# Altium PCB KlusterLab r2.0.PcbDoc (part 3 of 22) (continued)
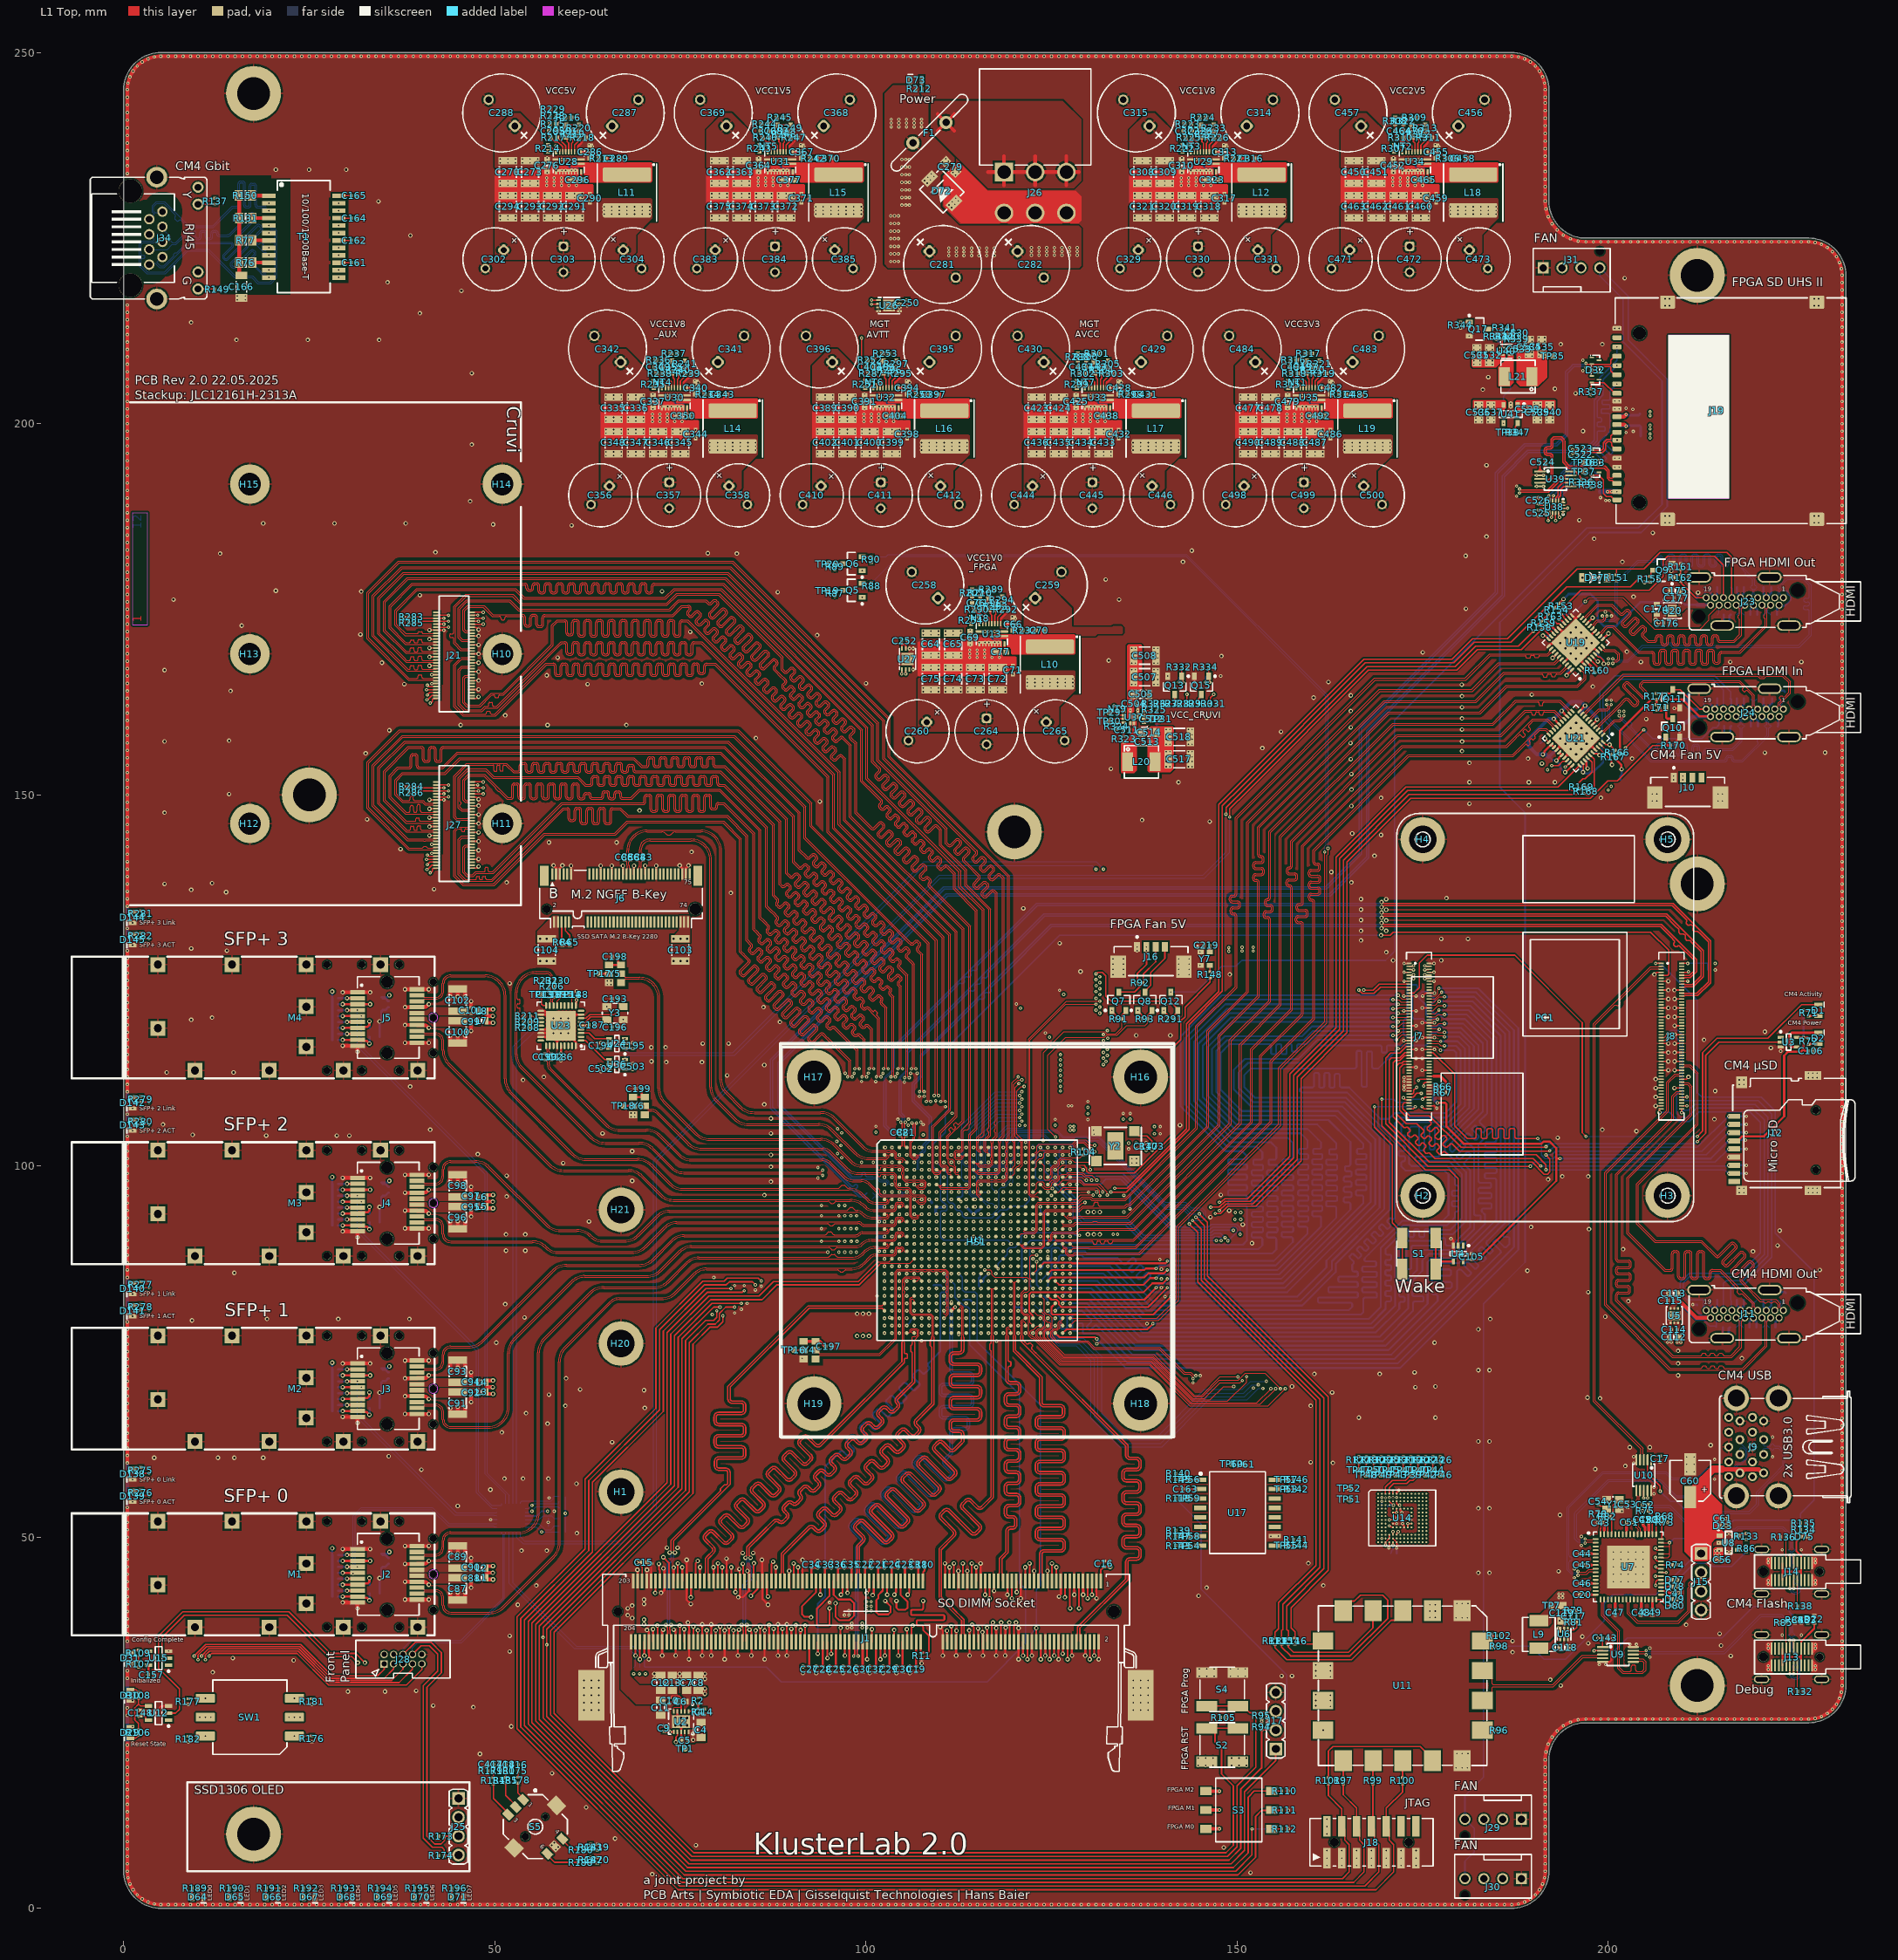
[diagram p0: L1 Top view]
## Footprints (in the part's own frame and the unit in brackets; to place one, negate y for a bottom-side part, rotate by r counter-clockwise, add the part's x,y. Pads: shape width x height; smd on the part's side, far side on the other; paste and mask are expansions set on the pad) (continued)
  round 0.5 smd paste+0.05: A1(-12.5,12.5) A2(-11.5,12.5) A3(-10.5,12.5) A4(-9.5,12.5) A5(-8.5,12.5) A6(-7.5,12.5) A7(-6.5,12.5) A8(-5.5,12.5) A9(-4.5,12.5) A10(-3.5,12.5) A11(-2.5,12.5) A12(-1.5,12.5) A13(-0.5,12.5) A14(0.5,12.5) A15(1.5,12.5) A16(2.5,12.5) A17(3.5,12.5) A18(4.5,12.5) A19(5.5,12.5) A20(6.5,12.5) A21(7.5,12.5) A22(8.5,12.5) A23(9.5,12.5) A24(10.5,12.5) A25(11.5,12.5) A26(12.5,12.5) AA1(-12.5,-7.5) AA2(-11.5,-7.5) AA3(-10.5,-7.5) AA4(-9.5,-7.5) AA5(-8.5,-7.5) AA6(-7.5,-7.5) AA7(-6.5,-7.5) AA8(-5.5,-7.5) AA9(-4.5,-7.5) AA10(-3.5,-7.5) AA11(-2.5,-7.5) AA12(-1.5,-7.5) AA13(-0.5,-7.5) AA14(0.5,-7.5) AA15(1.5,-7.5) AA16(2.5,-7.5) AA17(3.5,-7.5) AA18(4.5,-7.5) AA19(5.5,-7.5) AA20(6.5,-7.5) AA21(7.5,-7.5) AA22(8.5,-7.5) AA23(9.5,-7.5) AA24(10.5,-7.5) AA25(11.5,-7.5) AA26(12.5,-7.5) AB1(-12.5,-8.5) AB2(-11.5,-8.5) AB3(-10.5,-8.5) AB4(-9.5,-8.5) AB5(-8.5,-8.5) AB6(-7.5,-8.5) AB7(-6.5,-8.5) AB8(-5.5,-8.5) AB9(-4.5,-8.5) AB10(-3.5,-8.5) AB11(-2.5,-8.5) AB12(-1.5,-8.5) AB13(-0.5,-8.5) AB14(0.5,-8.5) AB15(1.5,-8.5) AB16(2.5,-8.5) AB17(3.5,-8.5) AB18(4.5,-8.5) AB19(5.5,-8.5) AB20(6.5,-8.5) AB21(7.5,-8.5) AB22(8.5,-8.5) AB23(9.5,-8.5) AB24(10.5,-8.5) AB25(11.5,-8.5) AB26(12.5,-8.5) AC1(-12.5,-9.5) AC2(-11.5,-9.5) AC3(-10.5,-9.5) AC4(-9.5,-9.5) AC5(-8.5,-9.5) AC6(-7.5,-9.5) AC7(-6.5,-9.5) AC8(-5.5,-9.5) AC9(-4.5,-9.5) AC10(-3.5,-9.5) AC11(-2.5,-9.5) AC12(-1.5,-9.5) AC13(-0.5,-9.5) AC14(0.5,-9.5) AC15(1.5,-9.5) AC16(2.5,-9.5) AC17(3.5,-9.5) AC18(4.5,-9.5) AC19(5.5,-9.5) AC20(6.5,-9.5) AC21(7.5,-9.5) AC22(8.5,-9.5) AC23(9.5,-9.5) AC24(10.5,-9.5) AC25(11.5,-9.5) AC26(12.5,-9.5) AD1(-12.5,-10.5) AD2(-11.5,-10.5) AD3(-10.5,-10.5) AD4(-9.5,-10.5) AD5(-8.5,-10.5) AD6(-7.5,-10.5) AD7(-6.5,-10.5) AD8(-5.5,-10.5) AD9(-4.5,-10.5) AD10(-3.5,-10.5) AD11(-2.5,-10.5) AD12(-1.5,-10.5) AD13(-0.5,-10.5) AD14(0.5,-10.5) AD15(1.5,-10.5) AD16(2.5,-10.5) AD17(3.5,-10.5) AD18(4.5,-10.5) AD19(5.5,-10.5) AD20(6.5,-10.5) AD21(7.5,-10.5) AD22(8.5,-10.5) AD23(9.5,-10.5) AD24(10.5,-10.5) AD25(11.5,-10.5) AD26(12.5,-10.5) AE1(-12.5,-11.5) AE2(-11.5,-11.5) AE3(-10.5,-11.5) AE4(-9.5,-11.5) AE5(-8.5,-11.5) AE6(-7.5,-11.5) AE7(-6.5,-11.5) AE8(-5.5,-11.5) AE9(-4.5,-11.5) AE10(-3.5,-11.5) AE11(-2.5,-11.5) AE12(-1.5,-11.5) AE13(-0.5,-11.5) AE14(0.5,-11.5) AE15(1.5,-11.5) AE16(2.5,-11.5) AE17(3.5,-11.5) AE18(4.5,-11.5) AE19(5.5,-11.5) AE20(6.5,-11.5) AE21(7.5,-11.5) AE22(8.5,-11.5) AE23(9.5,-11.5) AE24(10.5,-11.5) AE25(11.5,-11.5) AE26(12.5,-11.5) AF1(-12.5,-12.5) AF2(-11.5,-12.5) AF3(-10.5,-12.5) AF4(-9.5,-12.5) AF5(-8.5,-12.5) AF6(-7.5,-12.5) AF7(-6.5,-12.5) AF8(-5.5,-12.5) AF9(-4.5,-12.5) AF10(-3.5,-12.5) AF11(-2.5,-12.5) AF12(-1.5,-12.5) AF13(-0.5,-12.5) AF14(0.5,-12.5) AF15(1.5,-12.5) AF16(2.5,-12.5) AF17(3.5,-12.5) AF18(4.5,-12.5) AF19(5.5,-12.5) AF20(6.5,-12.5) AF21(7.5,-12.5) AF22(8.5,-12.5) AF23(9.5,-12.5) AF24(10.5,-12.5) AF25(11.5,-12.5) AF26(12.5,-12.5) B1(-12.5,11.5) B2(-11.5,11.5) B3(-10.5,11.5) B4(-9.5,11.5) B5(-8.5,11.5) B6(-7.5,11.5) B7(-6.5,11.5) B8(-5.5,11.5) B9(-4.5,11.5) B10(-3.5,11.5) B11(-2.5,11.5) B12(-1.5,11.5) B13(-0.5,11.5) B14(0.5,11.5) B15(1.5,11.5) B16(2.5,11.5) B17(3.5,11.5) B18(4.5,11.5) B19(5.5,11.5) B20(6.5,11.5) B21(7.5,11.5) B22(8.5,11.5) B23(9.5,11.5) B24(10.5,11.5) B25(11.5,11.5) B26(12.5,11.5) C1(-12.5,10.5) C2(-11.5,10.5) C3(-10.5,10.5) C4(-9.5,10.5) C5(-8.5,10.5) C6(-7.5,10.5) C7(-6.5,10.5) C8(-5.5,10.5) C9(-4.5,10.5) C10(-3.5,10.5) C11(-2.5,10.5) C12(-1.5,10.5) C13(-0.5,10.5) C14(0.5,10.5) C15(1.5,10.5) C16(2.5,10.5) C17(3.5,10.5) C18(4.5,10.5) C19(5.5,10.5) C20(6.5,10.5) C21(7.5,10.5) C22(8.5,10.5) C23(9.5,10.5) C24(10.5,10.5) C25(11.5,10.5) C26(12.5,10.5) D1(-12.5,9.5) D2(-11.5,9.5) D3(-10.5,9.5) D4(-9.5,9.5) D5(-8.5,9.5) D6(-7.5,9.5) D7(-6.5,9.5) D8(-5.5,9.5) D9(-4.5,9.5) D10(-3.5,9.5) D11(-2.5,9.5) D12(-1.5,9.5) D13(-0.5,9.5) D14(0.5,9.5) D15(1.5,9.5) D16(2.5,9.5) D17(3.5,9.5) D18(4.5,9.5) D19(5.5,9.5) D20(6.5,9.5) D21(7.5,9.5) D22(8.5,9.5) D23(9.5,9.5) D24(10.5,9.5) D25(11.5,9.5) D26(12.5,9.5) E1(-12.5,8.5) E2(-11.5,8.5) E3(-10.5,8.5) E4(-9.5,8.5) E5(-8.5,8.5) E6(-7.5,8.5) E7(-6.5,8.5) E8(-5.5,8.5) E9(-4.5,8.5) E10(-3.5,8.5) E11(-2.5,8.5) E12(-1.5,8.5) E13(-0.5,8.5) E14(0.5,8.5) E15(1.5,8.5) E16(2.5,8.5) E17(3.5,8.5) E18(4.5,8.5) E19(5.5,8.5) E20(6.5,8.5) E21(7.5,8.5) E22(8.5,8.5) E23(9.5,8.5) E24(10.5,8.5) E25(11.5,8.5) E26(12.5,8.5) F1(-12.5,7.5) F2(-11.5,7.5) F3(-10.5,7.5) F4(-9.5,7.5) F5(-8.5,7.5) F6(-7.5,7.5) F7(-6.5,7.5) F8(-5.5,7.5) F9(-4.5,7.5) F10(-3.5,7.5) F11(-2.5,7.5) F12(-1.5,7.5) F13(-0.5,7.5) F14(0.5,7.5) F15(1.5,7.5) F16(2.5,7.5) F17(3.5,7.5) F18(4.5,7.5) F19(5.5,7.5) F20(6.5,7.5) F21(7.5,7.5) F22(8.5,7.5) F23(9.5,7.5) F24(10.5,7.5) F25(11.5,7.5) F26(12.5,7.5) G1(-12.5,6.5) G2(-11.5,6.5) G3(-10.5,6.5) G4(-9.5,6.5) G5(-8.5,6.5) G6(-7.5,6.5) G7(-6.5,6.5) G8(-5.5,6.5) G9(-4.5,6.5) G10(-3.5,6.5) G11(-2.5,6.5) G12(-1.5,6.5) G13(-0.5,6.5) G14(0.5,6.5) G15(1.5,6.5) G16(2.5,6.5) G17(3.5,6.5) G18(4.5,6.5) G19(5.5,6.5) G20(6.5,6.5) G21(7.5,6.5) G22(8.5,6.5) G23(9.5,6.5) G24(10.5,6.5) G25(11.5,6.5) G26(12.5,6.5) H1(-12.5,5.5) H2(-11.5,5.5) H3(-10.5,5.5) H4(-9.5,5.5) H5(-8.5,5.5) H6(-7.5,5.5) H7(-6.5,5.5) H8(-5.5,5.5) H9(-4.5,5.5) H10(-3.5,5.5) H11(-2.5,5.5) H12(-1.5,5.5) H13(-0.5,5.5) H14(0.5,5.5) H15(1.5,5.5) H16(2.5,5.5) H17(3.5,5.5) H18(4.5,5.5) H19(5.5,5.5) H20(6.5,5.5) H21(7.5,5.5) H22(8.5,5.5) H23(9.5,5.5) H24(10.5,5.5) H25(11.5,5.5) H26(12.5,5.5) J1(-12.5,4.5) J2(-11.5,4.5) J3(-10.5,4.5) J4(-9.5,4.5) J5(-8.5,4.5) J6(-7.5,4.5) J7(-6.5,4.5) J8(-5.5,4.5) J9(-4.5,4.5) J10(-3.5,4.5) J11(-2.5,4.5) J12(-1.5,4.5) J13(-0.5,4.5) J14(0.5,4.5) J15(1.5,4.5) J16(2.5,4.5) J17(3.5,4.5) J18(4.5,4.5) J19(5.5,4.5) J20(6.5,4.5) J21(7.5,4.5) J22(8.5,4.5) J23(9.5,4.5) J24(10.5,4.5) J25(11.5,4.5) J26(12.5,4.5) K1(-12.5,3.5) K2(-11.5,3.5) K3(-10.5,3.5) K4(-9.5,3.5) K5(-8.5,3.5) K6(-7.5,3.5) K7(-6.5,3.5) K8(-5.5,3.5) K9(-4.5,3.5) K10(-3.5,3.5) K11(-2.5,3.5) K12(-1.5,3.5) K13(-0.5,3.5) K14(0.5,3.5) K15(1.5,3.5) K16(2.5,3.5) K17(3.5,3.5) K18(4.5,3.5) K19(5.5,3.5) K20(6.5,3.5) K21(7.5,3.5) K22(8.5,3.5) K23(9.5,3.5) K24(10.5,3.5) K25(11.5,3.5) K26(12.5,3.5) L1(-12.5,2.5) L2(-11.5,2.5) L3(-10.5,2.5) L4(-9.5,2.5) L5(-8.5,2.5) L6(-7.5,2.5) L7(-6.5,2.5) L8(-5.5,2.5) L9(-4.5,2.5) L10(-3.5,2.5) L11(-2.5,2.5) L12(-1.5,2.5) L13(-0.5,2.5) L14(0.5,2.5) L15(1.5,2.5) L16(2.5,2.5) L17(3.5,2.5) L18(4.5,2.5) L19(5.5,2.5) L20(6.5,2.5) L21(7.5,2.5) L22(8.5,2.5) L23(9.5,2.5) L24(10.5,2.5) L25(11.5,2.5) L26(12.5,2.5) M1(-12.5,1.5) M2(-11.5,1.5) M3(-10.5,1.5) M4(-9.5,1.5) M5(-8.5,1.5) M6(-7.5,1.5) M7(-6.5,1.5) M8(-5.5,1.5) M9(-4.5,1.5) M10(-3.5,1.5) M11(-2.5,1.5) M12(-1.5,1.5) M13(-0.5,1.5) M14(0.5,1.5) M15(1.5,1.5) M16(2.5,1.5) M17(3.5,1.5) M18(4.5,1.5) M19(5.5,1.5) M20(6.5,1.5) M21(7.5,1.5) M22(8.5,1.5) M23(9.5,1.5) M24(10.5,1.5) M25(11.5,1.5) M26(12.5,1.5) N1(-12.5,0.5) N2(-11.5,0.5) N3(-10.5,0.5) N4(-9.5,0.5) N5(-8.5,0.5) N6(-7.5,0.5) N7(-6.5,0.5) N8(-5.5,0.5) N9(-4.5,0.5) N10(-3.5,0.5) N11(-2.5,0.5) N12(-1.5,0.5) N13(-0.5,0.5) N14(0.5,0.5) N15(1.5,0.5) N16(2.5,0.5) N17(3.5,0.5) N18(4.5,0.5) N19(5.5,0.5) N20(6.5,0.5) N21(7.5,0.5) N22(8.5,0.5) N23(9.5,0.5) N24(10.5,0.5) N25(11.5,0.5) N26(12.5,0.5) P1(-12.5,-0.5) P2(-11.5,-0.5) P3(-10.5,-0.5) P4(-9.5,-0.5) P5(-8.5,-0.5) P6(-7.5,-0.5) P7(-6.5,-0.5) P8(-5.5,-0.5) P9(-4.5,-0.5) P10(-3.5,-0.5) P11(-2.5,-0.5) P12(-1.5,-0.5) P13(-0.5,-0.5) P14(0.5,-0.5) P15(1.5,-0.5) P16(2.5,-0.5) P17(3.5,-0.5) P18(4.5,-0.5) P19(5.5,-0.5) P20(6.5,-0.5) P21(7.5,-0.5) P22(8.5,-0.5) P23(9.5,-0.5) P24(10.5,-0.5) P25(11.5,-0.5) P26(12.5,-0.5) R1(-12.5,-1.5) R2(-11.5,-1.5) R3(-10.5,-1.5) R4(-9.5,-1.5) R5(-8.5,-1.5) R6(-7.5,-1.5) R7(-6.5,-1.5) R8(-5.5,-1.5) R9(-4.5,-1.5) R10(-3.5,-1.5) R11(-2.5,-1.5) R12(-1.5,-1.5) R13(-0.5,-1.5) R14(0.5,-1.5) R15(1.5,-1.5) R16(2.5,-1.5) R17(3.5,-1.5) R18(4.5,-1.5) R19(5.5,-1.5) R20(6.5,-1.5) R21(7.5,-1.5) R22(8.5,-1.5) R23(9.5,-1.5) R24(10.5,-1.5) R25(11.5,-1.5) R26(12.5,-1.5) T1(-12.5,-2.5) T2(-11.5,-2.5) T3(-10.5,-2.5) T4(-9.5,-2.5) T5(-8.5,-2.5) T6(-7.5,-2.5) T7(-6.5,-2.5) T8(-5.5,-2.5) T9(-4.5,-2.5) T10(-3.5,-2.5) T11(-2.5,-2.5) T12(-1.5,-2.5) T13(-0.5,-2.5) T14(0.5,-2.5) T15(1.5,-2.5) T16(2.5,-2.5) T17(3.5,-2.5) T18(4.5,-2.5) T19(5.5,-2.5) T20(6.5,-2.5) T21(7.5,-2.5) T22(8.5,-2.5) T23(9.5,-2.5) T24(10.5,-2.5) T25(11.5,-2.5) T26(12.5,-2.5) U1(-12.5,-3.5) U2(-11.5,-3.5) U3(-10.5,-3.5) U4(-9.5,-3.5) U5(-8.5,-3.5) U6(-7.5,-3.5) U7(-6.5,-3.5) U8(-5.5,-3.5) U9(-4.5,-3.5) U10(-3.5,-3.5) U11(-2.5,-3.5) U12(-1.5,-3.5) U13(-0.5,-3.5) U14(0.5,-3.5) U15(1.5,-3.5) U16(2.5,-3.5) U17(3.5,-3.5) U18(4.5,-3.5) U19(5.5,-3.5) U20(6.5,-3.5) U21(7.5,-3.5) U22(8.5,-3.5) U23(9.5,-3.5) U24(10.5,-3.5) U25(11.5,-3.5) U26(12.5,-3.5) V1(-12.5,-4.5) V2(-11.5,-4.5) V3(-10.5,-4.5) V4(-9.5,-4.5) V5(-8.5,-4.5) V6(-7.5,-4.5) V7(-6.5,-4.5) V8(-5.5,-4.5) V9(-4.5,-4.5) V10(-3.5,-4.5) V11(-2.5,-4.5) V12(-1.5,-4.5) V13(-0.5,-4.5) V14(0.5,-4.5) V15(1.5,-4.5) V16(2.5,-4.5) V17(3.5,-4.5) V18(4.5,-4.5) V19(5.5,-4.5) V20(6.5,-4.5) V21(7.5,-4.5) V22(8.5,-4.5) V23(9.5,-4.5) V24(10.5,-4.5) V25(11.5,-4.5) V26(12.5,-4.5) W1(-12.5,-5.5) W2(-11.5,-5.5) W3(-10.5,-5.5) W4(-9.5,-5.5) W5(-8.5,-5.5) W6(-7.5,-5.5) W7(-6.5,-5.5) W8(-5.5,-5.5) W9(-4.5,-5.5) W10(-3.5,-5.5) W11(-2.5,-5.5) W12(-1.5,-5.5) W13(-0.5,-5.5) W14(0.5,-5.5) W15(1.5,-5.5) W16(2.5,-5.5) W17(3.5,-5.5) W18(4.5,-5.5) W19(5.5,-5.5) W20(6.5,-5.5) W21(7.5,-5.5) W22(8.5,-5.5) W23(9.5,-5.5) W24(10.5,-5.5) W25(11.5,-5.5) W26(12.5,-5.5) Y1(-12.5,-6.5) Y2(-11.5,-6.5) Y3(-10.5,-6.5) Y4(-9.5,-6.5) Y5(-8.5,-6.5) Y6(-7.5,-6.5) Y7(-6.5,-6.5) Y8(-5.5,-6.5) Y9(-4.5,-6.5) Y10(-3.5,-6.5) Y11(-2.5,-6.5) Y12(-1.5,-6.5) Y13(-0.5,-6.5) Y14(0.5,-6.5) Y15(1.5,-6.5) Y16(2.5,-6.5) Y17(3.5,-6.5) Y18(4.5,-6.5) Y19(5.5,-6.5) Y20(6.5,-6.5) Y21(7.5,-6.5) Y22(8.5,-6.5) Y23(9.5,-6.5) Y24(10.5,-6.5) Y25(11.5,-6.5) Y26(12.5,-6.5)
  silkscreen extent -13.5,-13.5 13.5,13.5, body extent -13.5,-13.5 13.5,13.5, height 3.62
CAP_0402 [mm] "Chip Capacitor, 2-Leads, Body 1,00x0,50mm"
  rect 0.5x0.6 smd: 1(0,-0.55) 2(0,0.55)
  body extent -0.26,-0.59 0.26,0.6, height 0.51
CAP_0402_L [mm] "Chip Capacitor, 2-Leads, Body 1,00x0,50mm, IPC High Density"
  rect 0.38x0.48 smd: 1(-0.395,0) 2(0.395,0)
  body extent -0.6,-0.26 0.59,0.26, height 0.51
CAP_0603 [mm] "Chip Capacitor, 2-Leads, Body 1,60x0,8mm"
  rect 0.75x0.8 smd: 1(0,-0.75) 2(0,0.75)
  silkscreen extent -0.37,-0.15 0.38,0.15, body extent -0.41,-0.93 0.41,0.93, height 0.81
CAP_0603_L [mm] "Chip Capacitor, 2-Leads, Body 1,60x0,80mm, IPC High Density"
  rect 0.8x0.63 smd: 1(0,-0.675) 2(0,0.675)
  silkscreen extent -0.37,-0.15 0.38,0.15, body extent -0.41,-0.93 0.41,0.93, height 0.81
CAP_0805 [mm] "Chip Capacitor, 2-Leads, Body 2,00x1,25mm"
  rect 1.25x1 smd: 1(0,-1) 2(0,1)
  silkscreen extent -0.62,-0.3 0.63,0.3, body extent -0.64,-1.07 0.64,1.07, height 1.26
CAP_1206 [mm] "Chip Capacitor, 2-Leads, Body 3,20x1,60mm"
  rect 1.6x1 smd: 1(0,-1.5) 2(0,1.5)
  silkscreen extent -0.8,-0.8 0.8,0.8, body extent -0.81,-1.75 0.81,1.75, height 1.61
CAP_1210 [mm] "Chip Capacitor, 2-Leads, Body 3,20x2,50mm"
  rect 2.5x1 smd: 1(0,-1.5) 2(0,1.5)
  silkscreen extent -1.25,-0.8 1.25,0.8, body extent -1.26,-1.75 1.26,1.75, height 2.51
"Ckmtw - R-RJ45R08P-C000" [mm] "RJ45 8 1 Shielded Yellow - Green Through Hole Ethernet Connectors/Modular Connectors (RJ45 RJ11) RoHS"
  round 1.4 hole 0.9: 1(3.57,0.29) 2(2.55,2.07) 3(1.53,0.29) 4(0.51,2.07) 5(-0.51,0.29) 6(-1.53,2.07) 7(-2.55,0.29) 8(-3.57,2.07)
  round 1.5 hole 0.9: 9(6.86,6.87) 10(4.57,6.87) 11(-4.57,6.87) 12(-6.86,6.87)
  round 3.2 hole 3.2 unplated: MT(-6.35,-2.25) MT(6.35,-2.25)
  round 2.8 hole 1.8: SHD(-8.2,1.31) SHD(8.2,1.31)
  silkscreen extent -8.2,-7.65 8.2,8.05, body extent -8.2,-8.15 8.2,8.05, height 13.44
COILCRAFT_XAL7070 [mm] "Power Inductors - SMD Shld 20% AECQ200, body 7.2 x 7.5mm, 2-Leads"
  rrect20% 1.92x6.5 smd: 1(-2.41,0) 2(2.41,0)
  silkscreen extent -3.85,-4 3.85,4, body extent -3.85,-4 3.85,4, height 7
"CUI DS04-254-SMT Series, 3 Pole" [mm] "SMD Dip-Switch 3-Pole"
  rect 1.1x1.5 smd: 13(-2.54,-4.45) 14(-2.54,4.45) 23(0,-4.45) 24(0,4.45) 33(2.54,-4.45) 34(2.54,4.45)
  silkscreen extent -4.3,-3.1 4.3,3.1, body extent -4.31,-4.95 4.31,4.95, height 4.55
DO221-AA [mm] "SMB Flat Diode Body"
  rect 1.2x2.07 smd: 1(-2.32,0) 2(2.32,0)
  silkscreen extent -2.25,-2 2.25,2, body extent -2.8,-2 2.8,2, height 1.1
ECS-TXO-20CSMV4_2X1.6X0.8 [mm] "Clipped Sine Wave TCXO"
  rect 0.63x0.825 smd: 1(-0.91,-0.613) 2(0.91,-0.613) 3(0.91,0.613) 4(-0.91,0.613)
  silkscreen extent -1.7,-1.1 -1.6,-1, body extent -1,-0.8 1,0.8, height 0.81
ECX-2236B [mm] "Industry standard 2.5 x 2.0 x 0.55 mm ceramic package"
  rect 1.2x1 smd: 1(-0.85,-0.65) 2(0.85,-0.65) 3(0.85,0.65) 4(-0.85,0.65)
  silkscreen extent -0.05,-1.05 0.05,1.04, body extent -1.25,-1 1.25,1, height 0.6
"Elecbee EB-500-6007" [mm] "HDMI Connector Female 19 Pin EB-500-6007"
  rect 0x0 hole 1.8 unplated: 0(-6.152,-2) 0(7.098,1.5)
  round 0.95 hole 0.6: 1(5.198,0.5) 2(4.62,-0.5) 3(4.043,0.5) 4(3.465,-0.5) 5(2.888,0.5) 6(2.31,-0.5) 7(1.733,0.5) 8(1.155,-0.5) 9(0.578,0.5) 10(0,-0.5) 11(-0.578,0.5) 12(-1.155,-0.5) 13(-1.733,0.5) 14(-2.31,-0.5) 15(-2.888,0.5) 16(-3.465,-0.5) 17(-4.043,0.5) 18(-4.62,-0.5) 19(-5.198,0.5)
  oval 3.2x1.4 hole 0.9 slot 2.7 at 0 deg: MT(-6.152,3.25) MT(-3.052,-3.25) MT(3.348,3.25) MT(5.948,-3.25)
  silkscreen extent -7.5,-3.85 15.6,3.85, body extent -7.5,-3.92 15.6,3.96, height 16.41
FXL0420-1R0-M [mm] "SMD,4.4x4.2x1.8mm Power Inductor"
  rect 1.5x2.5 smd: 1(-1.85,0) 2(1.85,0)
  silkscreen extent -2.3,-2.2 2.3,2.2, body extent -2.2,-2.1 2.2,2.1, height 1.8
GCT_USB4200-03-A [mm] "GCT USB4200-03-A USB Type C Receptacle, Flag-type, 3.2 Gen2, SMT, 24pin"
  round 1.2 hole 1.2 unplated: 0(0,3.8)
  round 1 hole 1 unplated: 0(0,-3.8)
  rrect25% 1.625x0.25 smd mask+0.05: A1(1.138,2.725) A2(1.138,2.225) A3(1.138,1.725) A4(1.138,1.225) A5(1.138,0.725) A6(1.138,0.225) A7(1.138,-0.275) A8(1.138,-0.775) A9(1.138,-1.275) A10(1.138,-1.775) A11(1.138,-2.275) A12(1.138,-2.775) B1(-1.138,-2.775) B2(-1.138,-2.275) B3(-1.138,-1.775) B4(-1.138,-1.275) B5(-1.138,-0.775) B6(-1.138,-0.275) B7(-1.138,0.225) B8(-1.138,0.725) B9(-1.138,1.225) B10(-1.138,1.725) B11(-1.138,2.225) B12(-1.138,2.725)
  oval 1x2.05 hole 0.6 slot 1.65 at 90 deg paste-2539.97: SH1(3,-4.05) SH2(3,4.05) SH3(-3,4.05) SH4(-3,-4.05)
  silkscreen extent -2.27,-9.3 2.28,5, body extent -3.15,-9.31 3.15,4.99, height 9.82
"Hirose DF40HC(3.0)-100DS-0.4V_1-100" [mm] "DF40C-100DS-0.4V 3mm receptacle"
  rect 0.2x0.7 smd: 1(-9.8,-1.35) 2(-9.8,1.38) 3(-9.4,-1.35) 4(-9.4,1.38) 5(-9,-1.35) 6(-9,1.38) 7(-8.6,-1.35) 8(-8.6,1.38) 9(-8.2,-1.35) 10(-8.2,1.38) 11(-7.8,-1.35) 12(-7.8,1.38) 13(-7.4,-1.35) 14(-7.4,1.38) 15(-7,-1.35) 16(-7,1.38) 17(-6.6,-1.35) 18(-6.6,1.38) 19(-6.2,-1.35) 20(-6.2,1.38) 21(-5.8,-1.35) 22(-5.8,1.38) 23(-5.4,-1.35) 24(-5.4,1.38) 25(-5,-1.35) 26(-5,1.38) 27(-4.6,-1.35) 28(-4.6,1.38) 29(-4.2,-1.35) 30(-4.2,1.38) 31(-3.8,-1.35) 32(-3.8,1.38) 33(-3.4,-1.35) 34(-3.4,1.38) 35(-3,-1.35) 36(-3,1.38) 37(-2.6,-1.35) 38(-2.6,1.38) 39(-2.2,-1.35) 40(-2.2,1.38) 41(-1.8,-1.35) 42(-1.8,1.38) 43(-1.4,-1.35) 44(-1.4,1.38) 45(-1,-1.35) 46(-1,1.38) 47(-0.6,-1.35) 48(-0.6,1.38) 49(-0.2,-1.35) 50(-0.2,1.38) 51(0.2,-1.35) 52(0.2,1.38) 53(0.6,-1.35) 54(0.6,1.38) 55(1,-1.35) 56(1,1.38) 57(1.4,-1.35) 58(1.4,1.38) 59(1.8,-1.35) 60(1.8,1.38) 61(2.2,-1.35) 62(2.2,1.38) 63(2.6,-1.35) 64(2.6,1.38) 65(3,-1.35) 66(3,1.38) 67(3.4,-1.35) 68(3.4,1.38) 69(3.8,-1.35) 70(3.8,1.38) 71(4.2,-1.35) 72(4.2,1.38) 73(4.6,-1.35) 74(4.6,1.38) 75(5,-1.35) 76(5,1.38) 77(5.4,-1.35) 78(5.4,1.38) 79(5.8,-1.35) 80(5.8,1.38) 81(6.2,-1.35) 82(6.2,1.38) 83(6.6,-1.35) 84(6.6,1.38) 85(7,-1.35) 86(7,1.38) 87(7.4,-1.35) 88(7.4,1.38) 89(7.8,-1.35) 90(7.8,1.38) 91(8.2,-1.35) 92(8.2,1.38) 93(8.6,-1.35) 94(8.6,1.38) 95(9,-1.35) 96(9,1.38) 97(9.4,-1.35) 98(9.4,1.38) 99(9.8,-1.35) 100(9.8,1.38)
  silkscreen extent -11.3,-1.69 11.3,1.7, body extent -11.3,-1.69 11.3,1.69, height 2.86
"Hirose DF40HC(3.0)-100DS-0.4V_101-200" [mm] "DF40C-100DS-0.4V 3mm receptacle"
  rect 0.2x0.7 smd: 101(-9.8,-1.35) 102(-9.8,1.38) 103(-9.4,-1.35) 104(-9.4,1.38) 105(-9,-1.35) 106(-9,1.38) 107(-8.6,-1.35) 108(-8.6,1.38) 109(-8.2,-1.35) 110(-8.2,1.38) 111(-7.8,-1.35) 112(-7.8,1.38) 113(-7.4,-1.35) 114(-7.4,1.38) 115(-7,-1.35) 116(-7,1.38) 117(-6.6,-1.35) 118(-6.6,1.38) 119(-6.2,-1.35) 120(-6.2,1.38) 121(-5.8,-1.35) 122(-5.8,1.38) 123(-5.4,-1.35) 124(-5.4,1.38) 125(-5,-1.35) 126(-5,1.38) 127(-4.6,-1.35) 128(-4.6,1.38) 129(-4.2,-1.35) 130(-4.2,1.38) 131(-3.8,-1.35) 132(-3.8,1.38) 133(-3.4,-1.35) 134(-3.4,1.38) 135(-3,-1.35) 136(-3,1.38) 137(-2.6,-1.35) 138(-2.6,1.38) 139(-2.2,-1.35) 140(-2.2,1.38) 141(-1.8,-1.35) 142(-1.8,1.38) 143(-1.4,-1.35) 144(-1.4,1.38) 145(-1,-1.35) 146(-1,1.38) 147(-0.6,-1.35) 148(-0.6,1.38) 149(-0.2,-1.35) 150(-0.2,1.38) 151(0.2,-1.35) 152(0.2,1.38) 153(0.6,-1.35) 154(0.6,1.38) 155(1,-1.35) 156(1,1.38) 157(1.4,-1.35) 158(1.4,1.38) 159(1.8,-1.35) 160(1.8,1.38) 161(2.2,-1.35) 162(2.2,1.38) 163(2.6,-1.35) 164(2.6,1.38) 165(3,-1.35) 166(3,1.38) 167(3.4,-1.35) 168(3.4,1.38) 169(3.8,-1.35) 170(3.8,1.38) 171(4.2,-1.35) 172(4.2,1.38) 173(4.6,-1.35) 174(4.6,1.38) 175(5,-1.35) 176(5,1.38) 177(5.4,-1.35) 178(5.4,1.38) 179(5.8,-1.35) 180(5.8,1.38) 181(6.2,-1.35) 182(6.2,1.38) 183(6.6,-1.35) 184(6.6,1.38) 185(7,-1.35) 186(7,1.38) 187(7.4,-1.35) 188(7.4,1.38) 189(7.8,-1.35) 190(7.8,1.38) 191(8.2,-1.35) 192(8.2,1.38) 193(8.6,-1.35) 194(8.6,1.38) 195(9,-1.35) 196(9,1.38) 197(9.4,-1.35) 198(9.4,1.38) 199(9.8,-1.35) 200(9.8,1.38)